# Allegro board ADALM-PLUTO Layout.brd (continued)
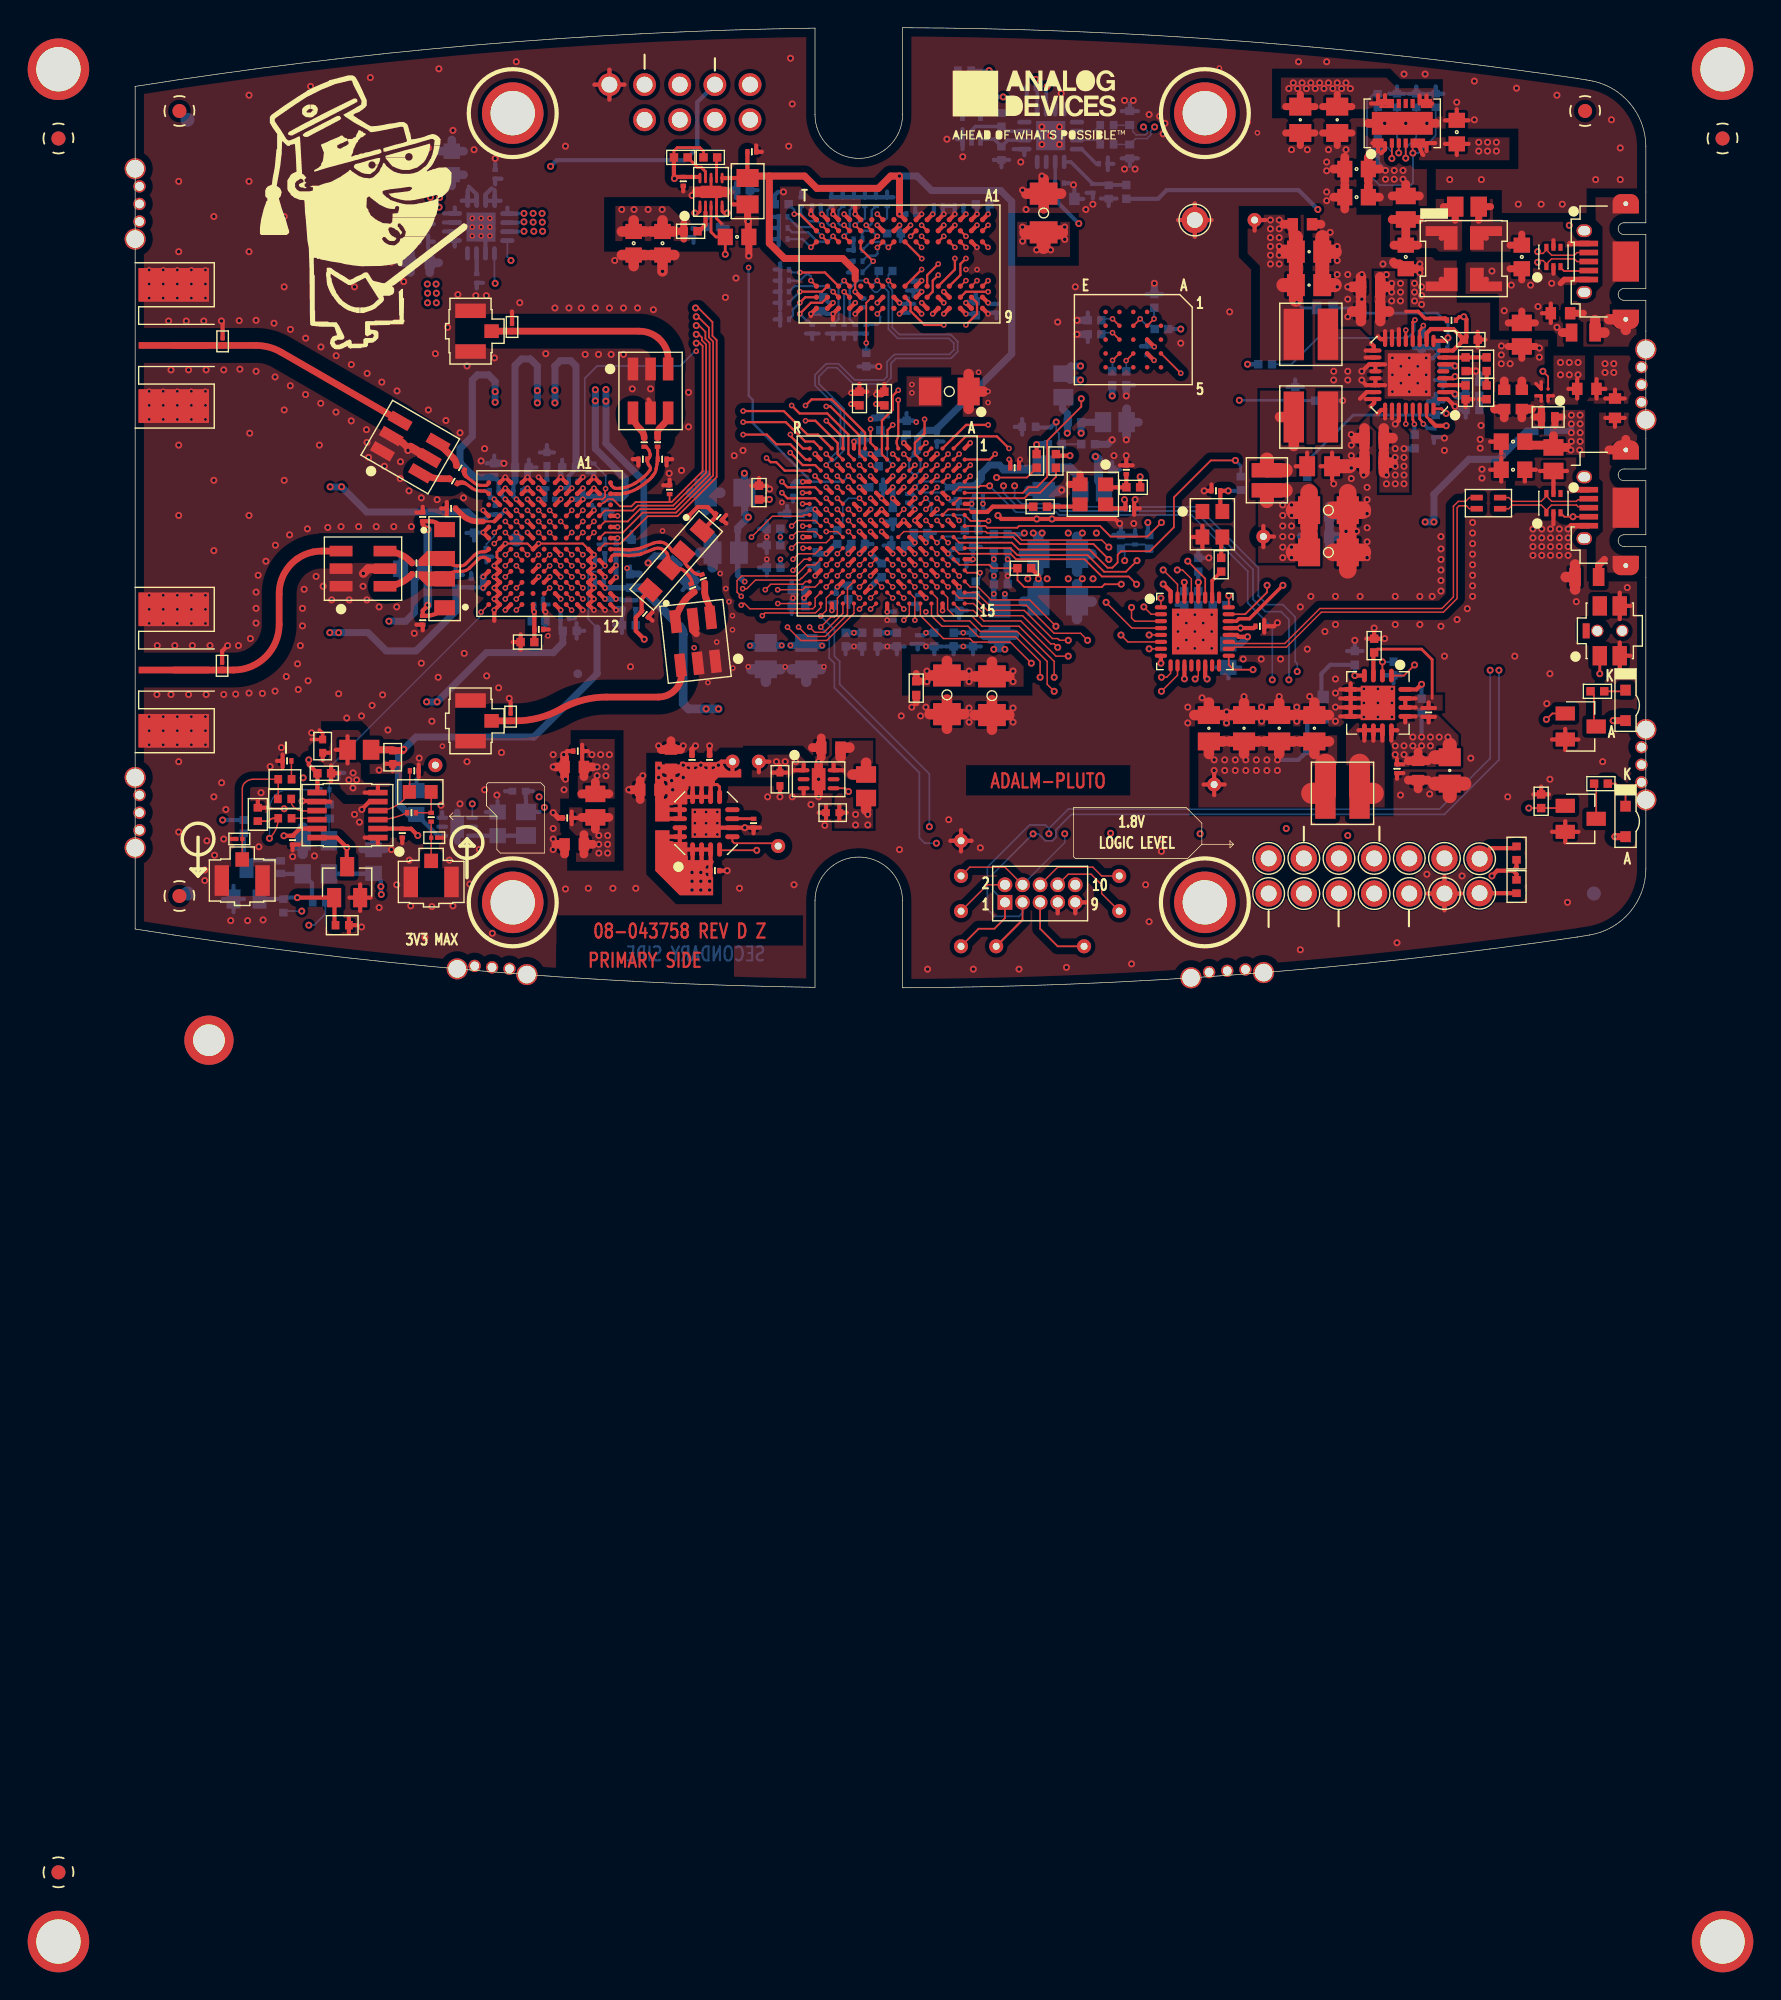
[diagram p0: board, top side]
## Routing (per net, layer and track width the routed paths; a pad name or vN(x,y) marks a point on that pad's centre or on a via; arc(x,y) is an arc through that point) (continued)
UNNAMED_7_CAP_I147_N1: length 1.3
  TOP w0.102: C205.1 11.29,15.07 R100.1
UNNAMED_7_CAP_I149_N1: length 1.6
  BOTTOM w0.102: Y3.3 14,12.16
  BOTTOM w0.127: 14,12.16 arc(14.01,12.2) C204.1
UNNAMED_7_CNBNC3P_I43_CNTR: length 14.7
  TOP w0.127: D3.2 27.23,47.42
  TOP w0.483: T2.3 38.5,45.27 arc(38.49,45.58) 38.45,45.88 arc(38.45,45.91) 38.44,45.95 arc(38.18,46.48) 37.78,46.93 arc(37.14,47.29) 36.42,47.42 RX2A.1
UNNAMED_7_CNBNC3P_I74_CNTR: length 15.7
  TOP w0.127: D10.2 27.13,19.28
  TOP w0.483: T3.3 39.4,23.29 39.46,22.91 arc(39.07,21.57) 37.8,21 34.06,21 arc(32.36,20.78) 30.77,20.14 arc(29.18,19.49) 27.47,19.28 TX2A.1
UNNAMED_7_CNBNC3P_I125_CNTR: length 9.5
  TOP w0.102: CLK_OUT.1 7.73,10.72 arc(7.74,10.73) D8.2 7.74,14.37 arc(7.79,14.61) 7.92,14.81 arc(8.2,14.99) 8.54,15.06 R100.2 10.34,13.7 arc(10.33,13.67) R98.2
UNNAMED_7_CNBNC5P_I64_CNTR: length 17.8
  TOP w0.305: D4.2 6.32,46.41 6.3,46.39
  TOP w0.483: RX1A.1 8.73,46.39 arc(9.67,46.27) 10.55,45.9 T1.3
UNNAMED_7_CNBNC5P_I83_CNTR: length 18
  TOP w0.305: D9.2 6.28,22.96 6.3,22.95
  TOP w0.483: T5.3 13.48,31.54 arc(13.16,31.52) 12.85,31.47 arc(12.25,31.28) 11.71,30.98 arc(10.75,29.88) 10.41,28.47 10.41,26.24 arc(9.44,23.91) 7.11,22.95 TX1A.1
UNNAMED_7_ICLTC6957V3_I120_IN: length 2.2
  TOP w0.102: U17.3 arc(18.62,12.27) R10.2
UNNAMED_7_ICLTC6957V3_I120_OUT1: length 1.9
  TOP w0.102: R86.1 12.91,12.24 arc(13.03,12.22) U17.10
UNNAMED_7_ICLTC6957V3_I120_OUT2: length 2.4
  TOP w0.102: R98.1 11.27,13.63 11.27,13.51 arc(11.31,13.27) 11.45,13.06 arc(11.75,12.85) 12.11,12.77 13,12.77 arc(13.05,12.78) 13.1,12.79 arc(13.12,12.79) U17.9
UNNAMED_7_ICLTC6957V3_I120_SD1: length 14.1
  TOP w0.305: Q3.3 15.29,8.77 v1(15.29,10.13) 14.58,10.84 U17.12 ; U17.7 13.17,14.12 R85.2 12.55,16.11 v1(12.55,16.46)
  L5_SIG w0.305: v1(12.55,16.46) 12.8,16.46 15.29,13.96 v1(15.29,10.13)
UNNAMED_7_RES_I152_N1: length 4
  BOTTOM w0.127: 12.77,6.25 12.83,6.2 R5.2
  BOTTOM w0.305: 12.77,6.25 12.77,7.55 Y3.1 10.55,8.22 R67.1
UNNAMED_7_RES_I152_N2: length 5.4
  BOTTOM w0.305: R67.2 10.46,9.22 8.48,9.22 8.05,8.78 Q2.3 7.85,8.84 R101.2
UNNAMED_9_ADP198_I365_VOUT: length 5.2
  TOP w0.254: 101.2,42.75 U16.A2 101.58,42.37
  TOP w0.508: F1.1 101.59,41.83 ; F1.1 101.59,40.61 ; F1.1 101.06,41.22
  TOP w0.635: 98.21,41.79 C171.1 98.91,41.16 ; 100.18,41.16 C172.1 100.87,41.79
UNNAMED_9_ADP2114_I196_FREQ: length 1.6
  TOP w0.305: R53.2 96.09,43.52 U6.3
UNNAMED_9_ADP2114_I196_OPCFG: length 1.8
  TOP w0.305: U6.6 95.23,45.02 v1(95.35,44.9)
  BOTTOM w0.508: v1(95.35,44.9) 94.47,44.9 R54.1
UNNAMED_9_ADP2114_I196_SS1: length 2.1
  TOP w0.203: U6.30 92.8,41.09 v2(93.06,40.71)
  BOTTOM w0.254: v2(93.06,40.71) 93.38,40.4 C7.2
UNNAMED_9_ADP2114_I196_SS2: length 1.9
  TOP w0.203: v2(93.06,47.83) 92.8,47.44 U6.11
  BOTTOM w0.305: C139.2 93.06,47.3 v2(93.06,47.83)
UNNAMED_9_ADP2114_I196_SW1: length 3.7
  TOP w0.305: 89.25,41.98 89.51,42.24 89.51,42.43 U6.24 88.9,42.52 ; 88.49,42.54 88.97,43.02 U6.23
  BOTTOM w0.203: R89.1 v1(87.24,42.4)
UNNAMED_9_ADP2114_I196_SW3: length 2.1
  TOP w0.305: 89.28,46.54 89.48,46.34 89.48,46.13 U6.17 88.9,46.02 ; 88.9,45.52 U6.18
UNNAMED_9_CAP_I163_N1: length 7
  TOP w0.305: 83.84,37.67 C146.1 84.67,38.64
  TOP w0.762: 83.7,39.13 L3.2 82.71,41.22
  TOP w1.016: 83.12,37.37 L5.1 81.76,38.15
UNNAMED_9_CAP_I214_N2: length 1
  BOTTOM w0.508: R60.2 C147.2
UNNAMED_9_CAP_I224_N2: length 1
  TOP w0.305: R61.2 C144.2
UNNAMED_9_CAP_I358_N2: length 5.4
  TOP w0.305: C177.2 107.61,41.16 ; C177.2 106.91,40.52 ; C177.2 106.21,41.16
  TOP w0.508: R55.1 105.72,30.51 106.14,30.93
  TOP w0.635: 106.48,38.84 P2.SH3 107.69,39.61
UNNAMED_9_CAP_I377_N2: length 4.5
  TOP w0.508: C181.2 104.62,48.71
  TOP w0.762: 105.47,48.22 R58.1 106.14,47.32 ; 107.69,47.51 P3.SH1 106.48,48.27
UNNAMED_9_CAP_I446_N1: length 5.4
  TOP w0.305: D2.5 102.46,53.99
  TOP w0.406: 103.65,53.75 P3.1
  TOP w0.508: 100.18,54.43 C214.1 99.32,53.63 ; 97.06,55.43 E11.2 97.91,56.41
UNNAMED_9_CAP_I447_N1: length 7.1
  TOP w0.508: 95.36,55.43 E11.1 94.51,56.41
  TOP w0.635: C213.1 92.65,53.63 ; C213.1 91.79,54.43 ; C213.1 90.94,53.63 ; 90.82,55.48 E9.2 ; E9.2 91.79,54.63 ; E9.2 92.77,55.48
UNNAMED_9_CHOKE4P_I350_N2: length 7.1
  TOP w0.102: 101.95,34.49 102.32,34.86 104.13,34.86 104.24,34.74 104.94,34.74 P2.3 ; 101.95,34.49 101.59,34.86 99.49,34.86 99.23,34.6 L6.2 ; 101.95,34.49 D1.1
UNNAMED_9_CHOKE4P_I350_N3: length 7.1
  TOP w0.102: 101.95,35.51 D1.6 ; 101.95,35.51 101.95,35.51 101.57,35.13 99.51,35.13 99.23,35.4 L6.3 ; 101.95,35.51 102.34,35.13 104.11,35.13 104.24,35.25 104.95,35.25 P2.2
UNNAMED_9_CN5P3SHLD_I359_N1: length 6.4
  TOP w0.305: D1.5 E3.2 ; 100.39,36.56 C211.1 101.19,37.41 ; 101.48,37.32 E3.2 ; E3.2 103.44,37.32
  TOP w0.406: 103.81,35.97 P2.1
UNNAMED_9_CN5P3SHLD_I378_N4: length 2.2
  TOP w0.127: P3.4 104.98,51.76 103.22,51.76 102.97,52.02 D2.3
UNNAMED_9_LINLTC4415_I386_CLIM1: length 4.1
  TOP w0.127: v1(91.28,60.29) 91.29,60.3 U8.4
  BOTTOM w0.127: R78.2 91.16,61.41 91.28,61.29 v1(91.28,60.29)
UNNAMED_9_LINLTC4415_I386_CLIM2: length 5.1
  TOP w0.127: U8.5 91.79,59.91 v1(91.79,59.91)
  BOTTOM w0.127: v1(91.79,59.91) 91.79,60.65 92.56,61.41 R73.1
UNNAMED_11_741G126_I97_Y: length 3.3
  BOTTOM w0.254: R95.1 R94.2 59.77,64.38 U10.4
UNNAMED_11_CAP_I83_N1: length 5.2
  BOTTOM w0.254: U9.9 67.6,59.64 C187.1 70.24,58.05 R92.1 70.34,57.97 R80.2
UNNAMED_11_CAP_I92_N1: length 2
  BOTTOM w0.254: C189.1 69.44,59.51 68.38,60.57 U9.8
UNNAMED_11_ICFT230XQ_I103_USBDM: length 1.8
  BOTTOM w0.102: R79.2 69.41,61.22 U9.7
UNNAMED_11_ICFT230XQ_I103_USBDP: length 1.9
  BOTTOM w0.102: U9.6 69.28,61.87 R81.2
UNNAMED_11_ICUSB3320C_I29_RBIAS: length 1.6
  TOP w0.127: v1(79,28.32) U15.24
  BOTTOM w0.127: v1(79,28.32) 79,27.81 R77.1
UNNAMED_11_ICUSB3320C_I29_REFCL: length 2.2
  TOP w0.254: U15.26 77.8,29.4 R82.1
UNNAMED_11_RES_I67_N2: length 1.5
  TOP w0.305: Y1.3 78.46,32.47 R82.2
USB_FS_SLEEP: length 3.6
  BOTTOM w0.254: U10.1 62.05,61.29 R93.1 63.05,61.22 U9.14
USB_ID: length 31.8
  TOP w0.127: P2.4 v1(103.87,34.02) 103.25,34.02 D1.3 ; U15.23 80.19,26.98 81.77,28.56 v1(81.77,29.07)
  L5_SIG w0.127: v1(81.77,29.07) 82.41,29.7 89.65,29.7 92.44,32.5 92.44,34.02 93.2,34.78 103.11,34.78 v1(103.87,34.02)
USB_OTG_CPEN: length 41
  TOP w0.127: U16.B1 102.08,44.15 v1(101.7,44.52) ; v1(80.76,22.97) 79.36,22.97 79,23.33 U15.17
  L5_SIG w0.127: v1(101.7,44.52) 101.66,44.56 100.09,44.56 96.49,40.97 96.49,36.97 94.69,35.16 93.05,35.16 92.06,34.18 92.06,32.65 89.49,30.08 81.52,30.08 81.01,29.58 81.01,28.56 81.27,28.31 81.27,24.75 80.76,24.24 v1(80.76,22.97)
USB_OTG_N: length 26.2
  TOP w0.102: L6.4 96.39,35.4 96.11,35.13 95.58,35.13 95.24,34.78 95.24,28.23 94.4,27.39 85.58,27.39 83.06,24.86 79.42,24.86 79.31,24.98 U15.19
USB_OTG_P: length 26.1
  TOP w0.102: U15.18 79.29,24.48 79.41,24.6 83.17,24.6 85.69,27.12 94.51,27.12 95.5,28.12 95.5,34.67 95.64,34.81 96.18,34.81 96.39,34.6 L6.1
USB_UART_N: length 40.4
  TOP w0.102: 101.95,53.29 101.7,53.03 101.45,53.03 v1(101.32,53.16) ; 101.95,53.29 102.33,52.91 103.97,52.91 104.16,53.1 P3.2 ; 101.95,53.29 D2.6
  L5_SIG w0.102: v1(73.65,62.17) 73.38,61.9 73.38,61.29 74.78,59.89 81.13,59.89 85.32,55.7 94.33,55.7 97.12,52.91 100.67,52.91 100.92,53.16 v1(101.32,53.16)
  BOTTOM w0.102: 71.85,60.91 71.14,60.91 71.14,60.91 R79.1 ; 71.85,60.91 C196.2 ; 71.85,60.91 72.27,61.32 73.1,61.32 73.38,61.61 73.38,61.9 v1(73.65,62.17)
USB_UART_P: length 41
  TOP w0.102: v1(101.32,52.4) 101.45,52.52 101.7,52.52 101.95,52.27 ; 101.95,52.27 102.32,52.64 103.97,52.64 104.16,52.45 P3.3 ; 101.95,52.27 D2.1
  L5_SIG w0.102: v1(72.84,62.17) 73.11,61.9 73.11,61.18 74.67,59.62 81.02,59.62 85.21,55.43 94.22,55.43 97.01,52.65 100.67,52.65 100.92,52.4 v1(101.32,52.4)
  BOTTOM w0.102: C197.2 72.08,62.09 72.08,62.08 ; 72.08,62.08 71.85,62.3 R81.1 ; 72.08,62.08 72.08,61.83 72.31,61.59 72.99,61.59 73.11,61.72 73.11,61.9 v1(72.84,62.17)
USB_UART_TX: length 4.7
  BOTTOM w0.254: U10.2 60.42,61.92 60.7,62.2 R107.2 62.92,61.87 U9.15
USB_VBUS_OTG: length 30.3
  TOP w0.254: U15.22 79.57,26.48 79.74,26.65 80.5,26.65 v1(82.92,29.07)
  L5_SIG w0.508: v1(82.92,29.07) 89.9,29.07 93.19,32.36 v1(93.19,33.64) v1(93.83,33.64)
  BOTTOM w0.508: R88.2 100.56,40.21 98.52,38.17 96.37,38.17 93.83,35.63 v1(93.83,33.64) v1(93.19,33.64)
USR_BTN: length 67.2
  TOP w0.127: U4.B9 59.53,32.15 63.33,32.15 63.83,31.65 68.94,31.65 70.25,30.34 70.6,30.34 70.98,30.72 70.98,31.27 71.23,31.53 73.31,31.53 75.04,33.26 75.04,35.42 77.71,38.08 v1(79.49,38.08)
  TOP w0.203: v1(105.81,22.68) S1.1
  L6_SIG w0.127: v1(105.81,22.68) 104.92,21.79 100.68,21.79 100.18,21.28 92.17,21.28 90.65,22.81 89.76,22.81 89.38,23.19 89.38,24.71 85.82,28.27 85.82,34.74 82.48,38.08 v1(79.49,38.08)
  BOTTOM w0.203: R57.2 79.87,37.7 v1(79.49,38.08)
USR_LED: length 57.8
  TOP w0.102: U4.D10 v2(57.93,31.35)
  TOP w0.127: Q4.1 103.15,12.98 R75.1 v1(100.68,12.98)
  L6_SIG w0.127: v1(100.68,12.98) 90.57,12.98 85.44,18.11 85.44,22.73 78.73,29.45 78.34,29.45 76.44,31.35 74.15,31.35 72.75,29.94 70.04,29.94 69.54,30.44 68.74,30.44 67.84,31.35 67.84,31.35 59.34,31.35 58.93,30.94 58.33,30.94 v2(57.93,31.35)
VTT_0P75: length 31.4
  TOP w0.203: v1(42.63,52.97) C79.1 41.96,54.23 41.6,54.58 U14.3
  BOTTOM w0.305: 51.49,51.67 R36.2 ; R16.2 51.92,57.5 ; R16.2 R35.2 ; R16.2 R23.2 ; R19.2 49.37,47.25 ; R19.2 48.92,46.84 ; R19.2 48.46,47.25 ; R20.2 46.6,48.73 ; R20.2 46.19,48.27 ; R20.2 46.6,47.81 ; R23.2 R24.2 50.32,57.5 ; R23.2 51.12,57.5 ; 46.09,54.07 R34.2 ; R34.2 46.5,53.61 ; R34.2 R17.2 ; 46.09,54.88 R17.2 ; R17.2 R26.2 46.09,55.68 ; 52.02,46.84 R21.2 ; R21.2 R38.2 ; R21.2 R30.2 ; 51.49,53.27 R37.2 R31.2 ; R33.2 54.78,57.09 ; R33.2 R39.2 ; R33.2 54.32,57.5 ; 42.25,54.38 R43.1 42.81,54.94 ; 46.19,51.87 R22.2 ; R22.2 R29.2 ; R22.2 46.6,52.33 ; R35.2 R39.2 ; R35.2 52.72,57.5 ; R29.2 46.6,50.27 R18.2 ; R29.2 46.19,51.07 ; R39.2 53.52,57.5 ; 49.96,47.25 R28.2 ; R28.2 50.42,46.84 ; R28.2 R30.2 ; 46.19,50.27 R18.2 ; R18.2 R27.2 ; 46.6,49.01 R27.2 ; R27.2 46.19,49.47 ; 51.22,46.84 R30.2 ; C101.1 44.97,57.6 ; C101.1 44.41,58.16 ; C101.1 44.41,57.05 ; R25.2 48.12,57.5 ; 51.49,52.47 R32.2
VTTVREF: length 69.4
  TOP w0.152: 52.02,51.17 v2(52.02,50.27)
  TOP w0.305: U2.M8 v2(52.02,50.27) ; C81.1 44.24,58.48 44.13,58.48 ; 44.13,58.48 U14.6 ; 44.13,58.48 arc(44.19,58.46) 44.25,58.43 arc(44.24,58.44) 44.23,58.46 C84.1 ; U4.F4 v2(56.33,36.95) ; U2.H1 v2(55.22,55.87)
  TOP w0.508: 45.82,58.62 44.44,58.62 44.25,58.43 ; 45.82,58.62 45.82,53.77 46.92,52.67 51.12,52.67 52.02,51.77 52.02,51.17 ; 45.82,58.62 48.36,58.62 49.25,57.73 53.69,57.73 54.58,58.62 v1(55.22,58.62) v2(55.22,55.87)
  BOTTOM w0.152: 56.32,38.56 55.92,38.16 55.92,37.36 56.33,36.96 v2(56.33,36.95) 56.72,37.34 56.72,38.16 56.32,38.56
  BOTTOM w0.305: C102.1 52.5,49.78 v2(52.02,50.27) ; C63.2 55.71,55.87 v2(55.22,55.87) ; 57.92,40.26 C99.2
  BOTTOM w0.508: 56.32,38.56 56.52,38.76 56.52,39.66 57.12,40.26 57.92,40.26 57.92,40.37 63.33,45.78 63.33,56.78 62.53,57.58 57.53,57.58 56.49,58.62 v1(55.22,58.62)

## Copper pours and planes (outline as drawn; the poured copper is in the pictures)
1V8 on TOP (solid shape): 38.61,10.59 38.8,10.59 38.9,10.54 39.01,10.53 39.69,10.53 39.74,10.53 39.79,10.54 39.85,10.54 39.85,10.49 39.91,10.49 39.91,10.43 39.89,10.38 39.89,10.33 39.89,9.64 39.9,9.56 39.93,9.48 39.93,9.22 41.76,9.22 41.76,8.94 41.72,8.91 41.68,8.86 41.41,8.86 41.27,8.8 41.21,8.66 41.21,8.25 41.27,8.11 41.41,8.05 41.68,8.05 41.72,8.01 41.76,7.97 41.76,6.68 39.34,6.68 37.56,8.46 37.56,11.38 38.61,11.38
1V8 on TOP: 34.64,13.03 31.34,13.03 31.34,11.5 31.85,11 31.85,9.09 34.64,9.09
1V8 on TOP: 40.13,55.7 40.13,54.02 40.03,53.92 34.69,53.92 34.69,56.46 38.58,56.46 39.36,55.69 40.12,55.69
1V8 on TOP: 84.94,36.52 81.13,36.52 81.13,30.68 85.44,30.68 85.44,36.01
1V8 on BOTTOM: 24.99,58.62 24.99,56.21 26.13,56.21 26.26,56.08 26.26,54.18 29.94,54.18 29.94,57.6 28.93,57.6 27.91,58.62
1V8 on BOTTOM: 66.27,26.87 63.6,26.87 63.6,33.09 66.27,33.09
1V8 on BOTTOM: 82.66,30.68 85.19,30.68 85.19,35.38 82.66,35.38
1V8 on L8_PWR: 48.48,63.06 52.28,59.26 56.08,63.06 56.08,68.7 66.96,68.46 77.82,67.88 77.82,56.46 44.55,56.46 43.53,57.48 43.53,60.4 37.82,60.4 37.06,59.64 37.06,56.97 37.18,56.84 39.15,56.84 39.15,51.25 40.35,50.05 84.36,50.05 84.36,16.01 98.27,16.01 98.27,5.22 59.6,5.22 59.6,11.31 54.14,11.31 54.14,13.73 50.84,13.73 50.84,11.31 47.85,11.31 42.77,6.23 31.15,6.23 31.15,14.11 36.74,14.11 36.74,23.69 43.47,30.42 43.47,41.35 34.83,49.99 34.83,54.11 26.33,54.11 26.33,56.14 31.6,56.14 31.6,67.98 40.03,68.42 48.48,68.66
1V35 on TOP: 81.25,45.29 81.25,52.14 80.36,53.03 80.36,55.83 84.43,55.83 84.43,45.29
1V35 on TOP: 67.54,52.78 63.73,52.78 63.73,55.32 67.54,55.32
1V35 on TOP: 55.73,41.96 55.73,44.17 58.32,44.17 58.32,41.96
1V35 on L3_PWR: 38.64,52.21 38.64,59.57 50.82,59.55 52.27,59.26 53.73,59.55 77.13,59.51 77.13,56.33 83.48,56.33 83.48,41.09 78.4,41.09 78.4,35.38 57.57,35.38 55.67,37.28 51.09,37.28 51.09,33.79 46.33,33.79 45.12,35 45.12,48.72 41.63,52.21
GND on TOP: 48.48,63.06 52.28,59.26 56.08,63.06 56.08,68.7 80.14,67.71 104.08,65.04 104.95,64.9 107.49,63.47 108.5,60.73 108.5,57.47 108.5,55.88 107.56,55.88 106.81,55.57 106.5,54.82 106.81,54.07 107.56,53.76 108.5,53.76 108.5,51.13 107.56,51.13 106.81,50.82 106.5,50.07 106.81,49.32 107.56,49.01 108.5,49.01 108.5,38.1 107.56,38.1 106.81,37.79 106.5,37.04 106.81,36.29 107.56,35.98 108.5,35.98 108.5,33.35 107.56,33.35 106.81,33.04 106.5,32.29 106.81,31.54 107.56,31.23 108.5,31.23 108.5,29.65 108.5,10.07 108.5,8.6 107.49,5.87 104.95,4.43 104.08,4.29 80.14,1.63 56.08,0.64 56.08,6.28 52.28,10.07 48.48,6.28 48.48,0.68 24.49,1.9 0.64,4.78 0.64,21.69 3.55,21.69 3.63,21.77 3.63,24.2 0.64,24.2 0.64,45.13 3.4,45.13 3.27,45.26 3.27,47.65 0.64,47.65 0.64,64.55 24.49,67.44 48.48,68.66 ; 15 cut-outs
GND on L3_PWR: 0.64,64.55 24.49,67.44 48.48,68.66 48.48,63.06 48.82,61.48 49.79,60.19 38.01,60.21 38.01,52.21 23.4,52.21 23.4,43.63 30.64,36.39 30.64,23.82 32.04,22.42 32.04,9.41 15.78,9.41 15.78,2.75 8.2,3.68 0.64,4.78
GND on L5_SIG: 56.08,68.7 77.28,67.91 98.4,65.83 98.4,64.21 94.59,64.21 94.59,58.8 94.28,58.8 93.93,58.44 93.93,52.45 94.03,52.35 98.4,52.35 98.4,41.09 97.13,39.82 97.13,38.86 97.13,36.33 97.13,36.33 102.21,36.33 102.53,36.01 102.53,29.35 108.48,29.35 108.48,26.92 108.5,26.92 108.5,15.52 108.5,10.08 108.5,8.6 107.49,5.87 104.95,4.43 104.08,4.29 81.55,1.74 58.9,0.67 57.49,0.65 56.08,0.64 56.08,6.28 52.28,10.07 48.48,6.28 48.48,0.68 40.48,0.9 32.48,1.3 32.48,1.3 19.89,2.32 7.34,3.8 3.99,4.28 0.64,4.78 0.64,64.55 1.7,64.72 1.7,64.72 16.68,66.68 31.72,67.98 31.72,67.98 48.48,67.98 48.48,67.13 48.48,63.06 52.28,59.26 56.08,63.06 56.08,67.13 ; 1 cut-out
GND on L8_PWR: 20.23,40.52 35.22,40.52 35.22,23.51 36.1,23.51 36.1,22.3 30.08,28.33 27.34,28.33 27.34,21.85 20.23,21.85
GND on L8_PWR: 0.64,64.55 24.49,67.44 48.48,68.66 48.48,63.06 48.66,61.91 49.17,60.87 34.2,60.84 34.2,59.83 10.83,59.83 10.83,19.44 9.49,19.44 8.29,18.24 8.29,9.03 21.63,9.03 21.63,14.11 24.04,14.11 24.04,1.93 12.31,3.16 0.64,4.78
GND on L8_PWR: 108.5,27.38 108.5,8.61 107.49,5.87 104.95,4.43 104.08,4.29 80.14,1.63 56.08,0.64 56.08,6.28 55.56,8.2 54.14,9.59 54.14,10.68 58.96,10.68 58.96,4.58 98.33,4.58 98.33,16.65 85,16.65 85,27.38
PGND on TOP: 98.4,50.11 98.52,49.98 98.52,47.44 102.46,47.44 102.72,47.19 102.72,46.3 103.22,46.3 103.22,50.75 104.87,50.75 104.87,52.4 96.24,52.4 96.11,52.27 96.11,50.11
PGND on L2_GND, L9_GND: 105.26,55.32 98.02,55.32 97.76,55.57 97.76,56.97 96.11,56.97 96.11,50.11 98.4,50.11 98.52,49.98 98.52,47.44 102.46,47.44 102.72,47.19 102.72,46.3 104.37,46.3 104.37,48.08 103.22,48.08 103.22,49.73 104.62,49.73 105.76,50.87 105.76,54.81
VCCPINT on TOP: 76.81,13.03 86.84,13.03 86.84,18.23 76.81,18.23
VCCPINT on TOP: 56.03,21.74 64.18,21.74 64.18,24.09 56.03,24.09
VCCPINT on L3_PWR: 51.73,36.65 55.4,36.65 57.31,34.74 78.4,34.74 78.4,23.95 83.79,23.95 83.79,15.06 68.55,15.06 68.55,17.92 51.09,17.92 51.09,33.16 51.73,33.16
VDD_INTERFACE on TOP: 31.98,13.66 31.98,17.22 32.1,17.35 32.1,17.97 34.64,17.97 34.64,13.66
VDD_INTERFACE on L8_PWR: 27.98,27.7 29.81,27.7 36.1,21.41 36.1,14.74 27.98,14.74
VIN on TOP: 50.52,11.5 53.31,11.5 53.31,14.04 50.77,14.04 50.52,13.79
VIN on TOP: 90.78,15.95 90.78,17.47 90.65,17.6 90.65,17.9 91.03,17.9 91.08,17.96 91.08,18.36 90.88,18.36 90.65,18.13 90.65,19.12 91.29,19.12 91.29,19.76 94.08,19.76 95.6,18.23 95.6,15.95 ; 1 cut-out
VIN on TOP: 93.7,63.45 82.78,63.45 82.78,65.73 90.4,65.73 91.16,64.97 93.83,64.97 93.83,63.57
VIN on TOP: 92.05,39.95 92.05,35.76 89.89,35.76 89.89,40.21 89.38,40.71 89.38,41.35 90.4,42.36 91.41,42.36 91.41,40.59 ; 1 cut-out
VIN on TOP: 91.92,46.24 90.33,46.24 89.51,47.06 89.51,51.76 91.92,51.76 ; 1 cut-out
VIN on BOTTOM: 27.79,14.68 27.79,13.54 27.66,13.41 27.4,13.41 27.4,11.88 29.94,11.88 29.94,14.42 29.69,14.68
VIN on L3_PWR: 77.76,56.97 77.76,67.88 88.09,67.01 98.39,65.83 98.33,41.23 97.06,39.96 97.06,29.35 108.5,29.35 108.5,8.61 107.49,5.87 104.95,4.43 104.08,4.29 80.14,1.63 56.08,0.64 56.08,6.28 54.5,9.35 51.09,9.89 51.09,17.28 67.92,17.28 67.92,14.42 84.43,14.42 84.43,24.58 79.03,24.58 79.03,40.46 84.11,40.46 84.11,56.97
VIN on L8_PWR: 62.03,60.27 82.4,60.31 82.4,65.73 88.87,65.73 88.87,57.92 84.36,57.92 84.36,50.68 40.62,50.68 39.79,51.51 39.79,57.1 38.33,57.1 37.82,57.6 37.82,59.13 38.2,59.51 46.2,59.51 46.2,56.72 62.08,56.72 62.08,60.27
VIN on L8_PWR: 24.67,14.11 30.52,14.11 30.52,5.6 43.03,5.6 48.11,10.68 51.47,10.68 51.47,13.09 53.5,13.09 53.5,9.87 50.07,9.37 48.48,6.28 48.48,0.68 36.57,1.07 24.67,1.88
VIN_5V_USB_DATA on TOP: 104.75,38.3 104.75,41.73 102.21,41.73 102.21,39.95 101.45,39.95 101.45,38.3
VIN_5V_USB_DATA on TOP: 92.56,61.41 99.29,61.41 99.29,59.76 92.68,59.76 92.56,59.89
VIN_5V_USB_DATA on L3_PWR: 93.06,65.75 99.02,65.75 101.55,65.4 104.08,65.04 104.95,64.9 107.49,63.47 108.5,60.73 108.5,57.47 108.5,55.88 107.56,55.88 106.81,55.57 106.5,54.82 106.81,54.07 107.56,53.76 108.5,53.76 108.5,51.13 107.56,51.13 106.81,50.82 106.5,50.07 106.81,49.32 107.56,49.01 108.5,49.01 108.5,38.1 107.56,38.1 106.81,37.79 106.5,37.04 106.81,36.29 107.56,35.98 108.5,35.98 108.5,33.35 107.56,33.35 106.81,33.04 106.5,32.29 106.81,31.54 107.56,31.23 108.5,31.23 108.5,29.98 97.7,29.98 97.7,37.92 94.08,37.92 93.06,38.94
VIN_5V_USB_POWER on TOP: 88.87,56.46 88.87,61.54 90.65,61.54 90.65,60.27 92.56,60.27 92.56,59.13 93.32,59.13 93.32,56.46
VIN_5V_USB_POWER on TOP: 104.24,43.76 104.75,43.76 104.75,45.67 102.46,45.67 102.46,43 101.95,43 101.95,42.11 104.24,42.11
VIN_5V_USB_POWER on L8_PWR: 87.09,60.91 94.46,60.91 94.46,57.6 108.5,57.6 108.5,55.88 107.56,55.88 106.81,55.57 106.5,54.82 106.81,54.07 107.56,53.76 108.5,53.76 108.5,51.13 107.56,51.13 106.81,50.82 106.5,50.07 106.81,49.32 107.56,49.01 108.5,49.01 108.5,38.1 107.56,38.1 106.81,37.79 106.5,37.04 106.81,36.29 107.56,35.98 108.5,35.98 108.5,33.35 107.56,33.35 106.81,33.04 106.5,32.29 106.81,31.54 107.56,31.23 108.5,31.23 108.5,27.63 84.55,27.63 84.43,27.76 84.43,58.24
(no net) on TOP: 37.56,12.01 37.56,16.33 42.14,16.33 42.52,16.71 43.79,16.71 43.79,15.19 42.14,15.19 41.88,14.93 41.88,14.55 39.98,14.55 39.98,14.35 41.88,14.35 41.88,13.41 41.76,13.28 39.85,13.28 39.85,12.01 38.91,12.01 38.91,13.18 38.61,13.18 38.61,12.01
(no net) on TOP: 39.34,6.68 37.56,8.46 37.56,11.76 39.85,11.76 39.85,10.49 41.76,10.49 41.76,9.62 39.93,9.62 39.93,9.22 41.76,9.22 41.76,6.68 ; 1 cut-out
1P3_SUPPLY_A on TOP (solid shape): 42.27,16.46 42.38,16.48 42.44,16.38 42.44,16.33 42.65,15.83 43.15,15.62 43.4,15.66 43.62,15.79 43.73,15.81 43.79,15.72 43.79,15.19 42.14,15.19 41.88,14.93 41.88,14.55 39.98,14.55 39.98,14.37 39.91,14.26 39.89,14.13 39.89,13.44 39.89,13.39 39.91,13.34 39.91,13.28 39.85,13.28 39.85,13.23 39.79,13.23 39.74,13.24 39.69,13.24 39.01,13.24 38.9,13.23 38.8,13.18 38.61,13.18 38.61,12.01 37.56,12.01 37.56,13.65 38.26,13.65 38.41,13.71 38.47,13.85 38.47,14.74 38.41,14.89 38.26,14.95 37.56,14.95 37.56,16.33 37.96,16.33 38.04,16.3 38.06,16.22 38.06,16.19 38.06,15.43 38.12,15.28 38.26,15.22 39.15,15.22 39.3,15.28 39.36,15.43 39.36,16.19 39.35,16.22 39.38,16.3 39.46,16.33 39.68,16.33 39.75,16.26 39.82,16.2 39.82,15.99 39.88,15.84 40.03,15.78 40.44,15.78 40.58,15.84 40.64,15.99 40.64,16.2 40.71,16.25 40.76,16.31 40.78,16.33 40.95,16.33 40.97,16.31 41.03,16.25 41.09,16.2 41.09,15.99 41.15,15.84 41.3,15.78 41.71,15.78 41.85,15.84 41.91,15.99 41.91,16.2 41.98,16.25 42.03,16.31 42.05,16.33 42.14,16.33
1P3_SUPPLY_A on L3_PWR: 24.04,51.57 41.37,51.57 44.49,48.46 44.49,34.74 46.07,33.16 50.46,33.16 50.46,17.92 46.58,17.92 38.07,9.41 32.68,9.41 32.68,22.68 31.28,24.08 31.28,36.65 24.04,43.89
1P3_SUPPLY_B on BOTTOM: 21.44,59.51 24.36,59.51 24.36,57.73 24.23,57.6 24.99,57.6 24.99,56.33 24.86,56.21 23.59,56.21 23.59,49.17 23.26,48.84 20.67,48.84 20.55,48.97 20.55,52.91 20.93,53.29 20.93,59
1P3_SUPPLY_B on L8_PWR: 11.47,59.19 34.2,59.19 34.2,56.78 25.69,56.78 25.69,53.48 34.2,53.48 34.2,49.73 42.84,41.09 42.84,30.69 36.29,24.14 35.85,24.14 35.85,41.16 19.59,41.16 19.59,21.22 27.34,21.22 27.34,14.74 20.86,14.74 20.86,19.44 11.47,19.44
1P8V_CLK on TOP: 44.55,15.19 47.22,15.19 47.47,15.44 48.49,15.44 48.49,16.33 47.98,16.84 44.55,16.84
1P8V_CLK on L3_PWR: 46.84,17.28 50.46,17.28 50.46,9.61 49.01,8.21 48.48,6.28 48.48,0.68 32.43,1.31 16.42,2.68 16.42,7.57 6.2,7.57 5.81,7.95 5.81,13.28 7.47,13.28 7.47,8.96 7.59,8.84 10.26,8.84 10.32,8.77 38.33,8.77
3P3V_CLK on TOP: 14.07,18.62 16.1,18.62 16.31,18.41 16.31,15.11 16.61,14.81 18.39,14.81 18.39,13.92 15.31,13.92 14.83,14.4 14.83,14.55 14.68,14.7 13.66,14.7 13.61,14.75 13.61,16.18 13.46,16.33 13.26,16.33 13.16,16.43 13.16,17.14 13.26,17.24 13.84,17.24 14.07,17.47
3P3V_CLK on L8_PWR: 9.76,18.81 20.23,18.81 20.23,14.11 20.99,14.11 20.99,9.66 8.93,9.66 8.93,17.98
SYNC on TOP: 87.48,13.03 90.27,13.03 90.27,19.12 88.24,19.12 87.48,18.36 ; 1 cut-out
TX1A_N on TOP (solid shape): 22.51,30.06 22.72,29.91 22.98,29.85 23.1,29.85 23.1,29 21.09,29 20.48,29.61 20.48,30.06
TX1A_P on TOP (solid shape): 23.1,30.69 22.77,30.69 22.55,30.47 20.48,30.47 20.48,30.93 21.09,31.54 23.1,31.54
UNNAMED_2_ADM7160V2_I254_VIN on TOP: 50.26,15.57 51.03,15.57 51.53,15.06 53.31,15.06 53.31,17.85 50.52,17.85 50.52,16.71 50.26,16.46
UNNAMED_2_ADP2164_I29_EN on TOP: 91.29,20.01 94.46,20.01 94.46,21.16 91.29,21.16 ; 1 cut-out
UNNAMED_9_ADP198_I365_VOUT on TOP: 101.06,42.87 101.06,42.36 98.14,42.36 98.14,40.33 101.83,40.33 101.83,42.87
UNNAMED_9_ADP2114_I196_SW1 on TOP: 90.08,43.13 90.08,42.56 88.36,40.84 85.44,40.84 85.44,43.13 ; 1 cut-out
UNNAMED_9_ADP2114_I196_SW3 on TOP: 85.44,45.29 85.44,49.1 86.84,49.1 86.84,47.57 88.45,47.57 89.78,46.24 90.08,46.24 90.08,45.29 89.44,45.29 89.44,46.34 88.93,46.34 88.93,45.29
UNNAMED_9_CAP_I163_N1 on TOP: 81.25,36.9 85.06,36.9 85.06,39.06 84.55,39.06 84.3,39.32 84.3,43.13 81.25,43.13
UNNAMED_9_CAP_I358_N2 on TOP: 105.51,29.98 105.51,32.46 106.02,32.97 106.02,36.52 105.76,36.78 105.76,41.54 108.5,41.54 108.5,38.1 107.56,38.1 106.81,37.79 106.5,37.04 106.81,36.29 107.56,35.98 108.5,35.98 108.5,33.35 107.56,33.35 106.81,33.04 106.5,32.29 106.81,31.54 107.56,31.23 108.49,31.23 108.49,30.17 108.3,29.98
UNNAMED_9_CAP_I377_N2 on TOP: 105.26,49.6 105.51,49.86 105.51,50.24 106,50.73 106,54.95 105.49,55.46 105.49,57.1 108.5,57.1 108.5,55.88 107.56,55.88 106.81,55.57 106.5,54.82 106.81,54.07 107.56,53.76 108.5,53.76 108.5,51.13 107.56,51.13 106.81,50.82 106.5,50.07 106.81,49.32 107.56,49.01 108.5,49.01 108.5,48.06 108.47,48.06 108.47,46.3 104.62,46.3 104.62,48.08 103.22,48.08 103.22,49.6
UNNAMED_9_CAP_I446_N1 on TOP: 104.87,55.32 104.87,53.29 104.75,53.16 96.24,53.16 96.11,53.29 96.1,56.97 98.09,56.97 98.09,55.32
UNNAMED_9_CAP_I447_N1 on TOP: 95.73,53.16 94.21,53.16 93.95,53.41 90.65,53.41 90.65,56.33 93.95,56.33 93.95,56.97 95.86,56.97 95.86,53.29
UNNAMED_9_CN5P3SHLD_I359_N1 on TOP: 101.45,36.01 101.19,36.27 99.67,36.27 99.67,38.3 104.11,38.3 104.11,36.4 104.24,36.27 105.13,36.27 105.26,36.14 105.26,35.51 101.57,35.51 101.45,35.63
VTT_0P75 on BOTTOM: 44.17,58.62 44.17,55.7 43.66,55.19 42.01,55.19 42.01,52.88 42.61,52.27 44.31,52.27 44.71,51.87 44.71,46.07 52.22,46.07 52.22,47.47 46.72,47.47 46.72,52.02 49.07,52.02 49.7,51.38 52.17,51.38 52.17,53.87 49.92,53.87 49.22,53.17 48.35,53.17 46.82,54.7 46.82,56.08 46.84,56.08 46.84,57.1 49.63,57.1 49.88,56.84 55.09,56.84 55.09,57.86 54.33,58.62 50.39,58.62 49.5,59.51 45.06,59.51
GND on BOTTOM, L2_GND, L4_GND, L7_GND, L9_GND: 48.48,63.06 52.28,59.26 56.08,63.06 56.08,68.7 80.14,67.71 104.08,65.04 104.95,64.9 107.49,63.47 108.5,60.73 108.5,57.47 108.5,55.88 107.56,55.88 106.81,55.57 106.5,54.82 106.81,54.07 107.56,53.76 108.5,53.76 108.5,51.13 107.56,51.13 106.81,50.82 106.5,50.07 106.81,49.32 107.56,49.01 108.5,49.01 108.5,38.1 107.56,38.1 106.81,37.79 106.5,37.04 106.81,36.29 107.56,35.98 108.5,35.98 108.5,33.35 107.56,33.35 106.81,33.04 106.5,32.29 106.81,31.54 107.56,31.23 108.5,31.23 108.5,29.65 108.5,8.61 107.5,5.87 104.95,4.43 104.08,4.29 80.14,1.63 56.08,0.64 56.08,6.28 52.28,10.07 48.48,6.28 48.48,0.68 24.49,1.9 0.64,4.78 0.64,64.55 24.49,67.44 48.48,68.66
GND on L3_PWR: 54.76,60.18 55.73,61.48 56.08,63.06 56.08,68.7 66.61,68.47 77.13,67.93 77.13,60.15
GND on L5_SIG: 48.48,63.06 52.28,59.26 56.08,63.06 56.08,68.7 80.14,67.71 104.08,65.04 104.95,64.9 107.49,63.47 108.5,60.73 108.5,57.47 108.5,55.88 107.56,55.88 106.81,55.57 106.5,54.82 106.81,54.07 107.56,53.76 108.5,53.76 108.5,51.13 107.56,51.13 106.81,50.82 106.5,50.07 106.81,49.32 107.56,49.01 108.5,49.01 108.5,38.1 107.56,38.1 106.81,37.79 106.5,37.04 106.81,36.29 107.56,35.98 108.5,35.98 108.5,33.35 107.56,33.35 106.81,33.04 106.5,32.29 106.81,31.54 107.56,31.23 108.5,31.23 108.5,29.65 108.5,8.61 107.5,5.87 104.95,4.43 104.08,4.29 80.14,1.63 56.08,0.64 56.08,6.28 52.28,10.07 48.48,6.28 48.48,0.68 24.49,1.9 0.64,4.78 0.64,64.55 24.49,67.44 48.48,68.66 ; 7 cut-outs
GND on L6_SIG: 48.48,63.06 52.28,59.26 56.08,63.06 56.08,68.7 80.14,67.71 104.08,65.04 104.95,64.9 107.49,63.47 108.5,60.73 108.5,57.47 108.5,55.88 107.56,55.88 106.81,55.57 106.5,54.82 106.81,54.07 107.56,53.76 108.5,53.76 108.5,51.13 107.56,51.13 106.81,50.82 106.5,50.07 106.81,49.32 107.56,49.01 108.5,49.01 108.5,38.1 107.56,38.1 106.81,37.79 106.5,37.04 106.81,36.29 107.56,35.98 108.5,35.98 108.5,33.35 107.56,33.35 106.81,33.04 106.5,32.29 106.81,31.54 107.56,31.23 108.5,31.23 108.5,29.65 108.5,8.61 107.5,5.87 104.95,4.43 104.08,4.29 80.14,1.63 56.08,0.64 56.08,6.28 52.28,10.07 48.48,6.28 48.48,0.68 24.49,1.9 0.64,4.78 0.64,64.55 24.49,67.44 48.48,68.66 ; 5 cut-outs
GND on L8_PWR: 77.44,57.6 77.44,67.9 90.79,66.73 104.08,65.04 104.95,64.9 107.49,63.47 108.5,60.73 108.5,57.6

Small or netless copper shapes (teardrops, artwork), in the pictures only: 2 on TOP

## Text on the board
BOTTOM: SECONDARY SIDE
TOP: PRIMARY SIDE | 08-043758 REV D Z | ADALM-PLUTO
Ref Des/Assembly Top: K | A | ASSEMBLY NOTES: | 1. DS1 AND DS2 ARE RIGHT ANGLE LEDs
Ref Des/Silkscreen Top: 3V3 MAX | 1.8V | LOGIC LEVEL | K | A
DIMENSION: " " | SEE DETAIL A | -0.076 | -0.242 | 2.486 | 2.320 | 2.240 | .004 | 0 | 4.297 | R13.599 | 1.932 | 1.899 | 1.745 | 1.712 | 1.232 | 1.199 | 1.045 | 1.012 | R.191 | 0.0330 | (2PLCS) | 0.0165 | 0.0395 | 0.0790 | RADIUS | FULL | SCALE: NONE | DETAIL A | 0.1870 | EDGE | PCB | REF | ARRAY DIMENSIONS | BOARD DIMENSIONS | x2 | FIDUCIAL | TOOLING HOLE (4X) | MOLEX47590-0001_CUTOUT-DETAIL | DIA MAX | -1.074 | .860 | .984 | 1.109 | 3.223 | 2.730
PAGE_OUTLINE: B | C | D | AS PER ECR-064863 | AS PER ECR-089480 | AS PER ECR-092850 | 22NOV16 | 19AUG19 | 20MAR20 | MBANCISOR | CUSTOMER EVAL BOARD Z
User.15: PREPREG 2.98MILS | PREPREG 2.9MILS | CORE 3MILS | NOTE: ALL IMPEDANCE TOLERANCE +/-10% | LAYER | L1 | L5 | L6 | L10 | SE = SINGLE ENDED, DP = DIFFERENTIAL PAIR | 100 OHMS DP | IMPEDANCE | 50 OHMS SE | 40 OHMS SE | 90 OHMS DP | 80 OHMS DP | REFERENCE | L4,L7 | L2 | L4 | L9 | LINE WIDTH | 19MILS | 6.5MILS | 4MILS | 9MILS | 4.5MILS | 5.5MILS | 5MILS | SPACE | 7MILS | 6MILS | N/A | IMPEDANCE TABLE
User.17: L2 GND | 08-      -07
User.18: L3 PWR | 08-      -08
User.19: L4 GND | 08-      -09
User.20: L5 SIG | 08-      -10
User.22: L6 SIG | 08-      -11
User.23: L7 GND | 08-      -12
User.24: L8 PWR | 08-      -13
User.25: L9 GND | 08-      -14
User.27: L2 GND | 08-      -075
User.28: L3 PWR | 08-      -085
User.29: L4 GND | 08-      -095
User.30: L5 SIG | 08-      -105
User.31: L6 SIG | 08-      -115
User.32: L7 GND | 08-      -125
User.33: L8 PWR | 08-      -135
User.34: L9 GND | 08-      -145
User.45: FIGURE | SIZE | 8.0 | 10.0 | 20.0 | 28.0 | 45.0 | 25.0 | 50.0 | 90.0 | 126.0 | 34.0x26.0 | 51.0x24.0 | DRILL CHART: TOP to BOTTOM | ALL UNITS ARE IN MILS | PLATED | NON-PLATED | QTY | 601 | 883 | 15 | 10 | 24 | 18 | 2 | 12 | 1 | 8 | 4 | TOLERANCE/NOTES
